# Altium PCB R3P902.PcbDoc
Units mil, origin at the board's own origin, x right, y up, seen from the top; angles counter-clockwise.
Board outline 3937.01 x 3937.01 mil, 2 copper layers (Top Layer, Bottom Layer); 36 components, 12 nets, 76 pads, 4 vias.
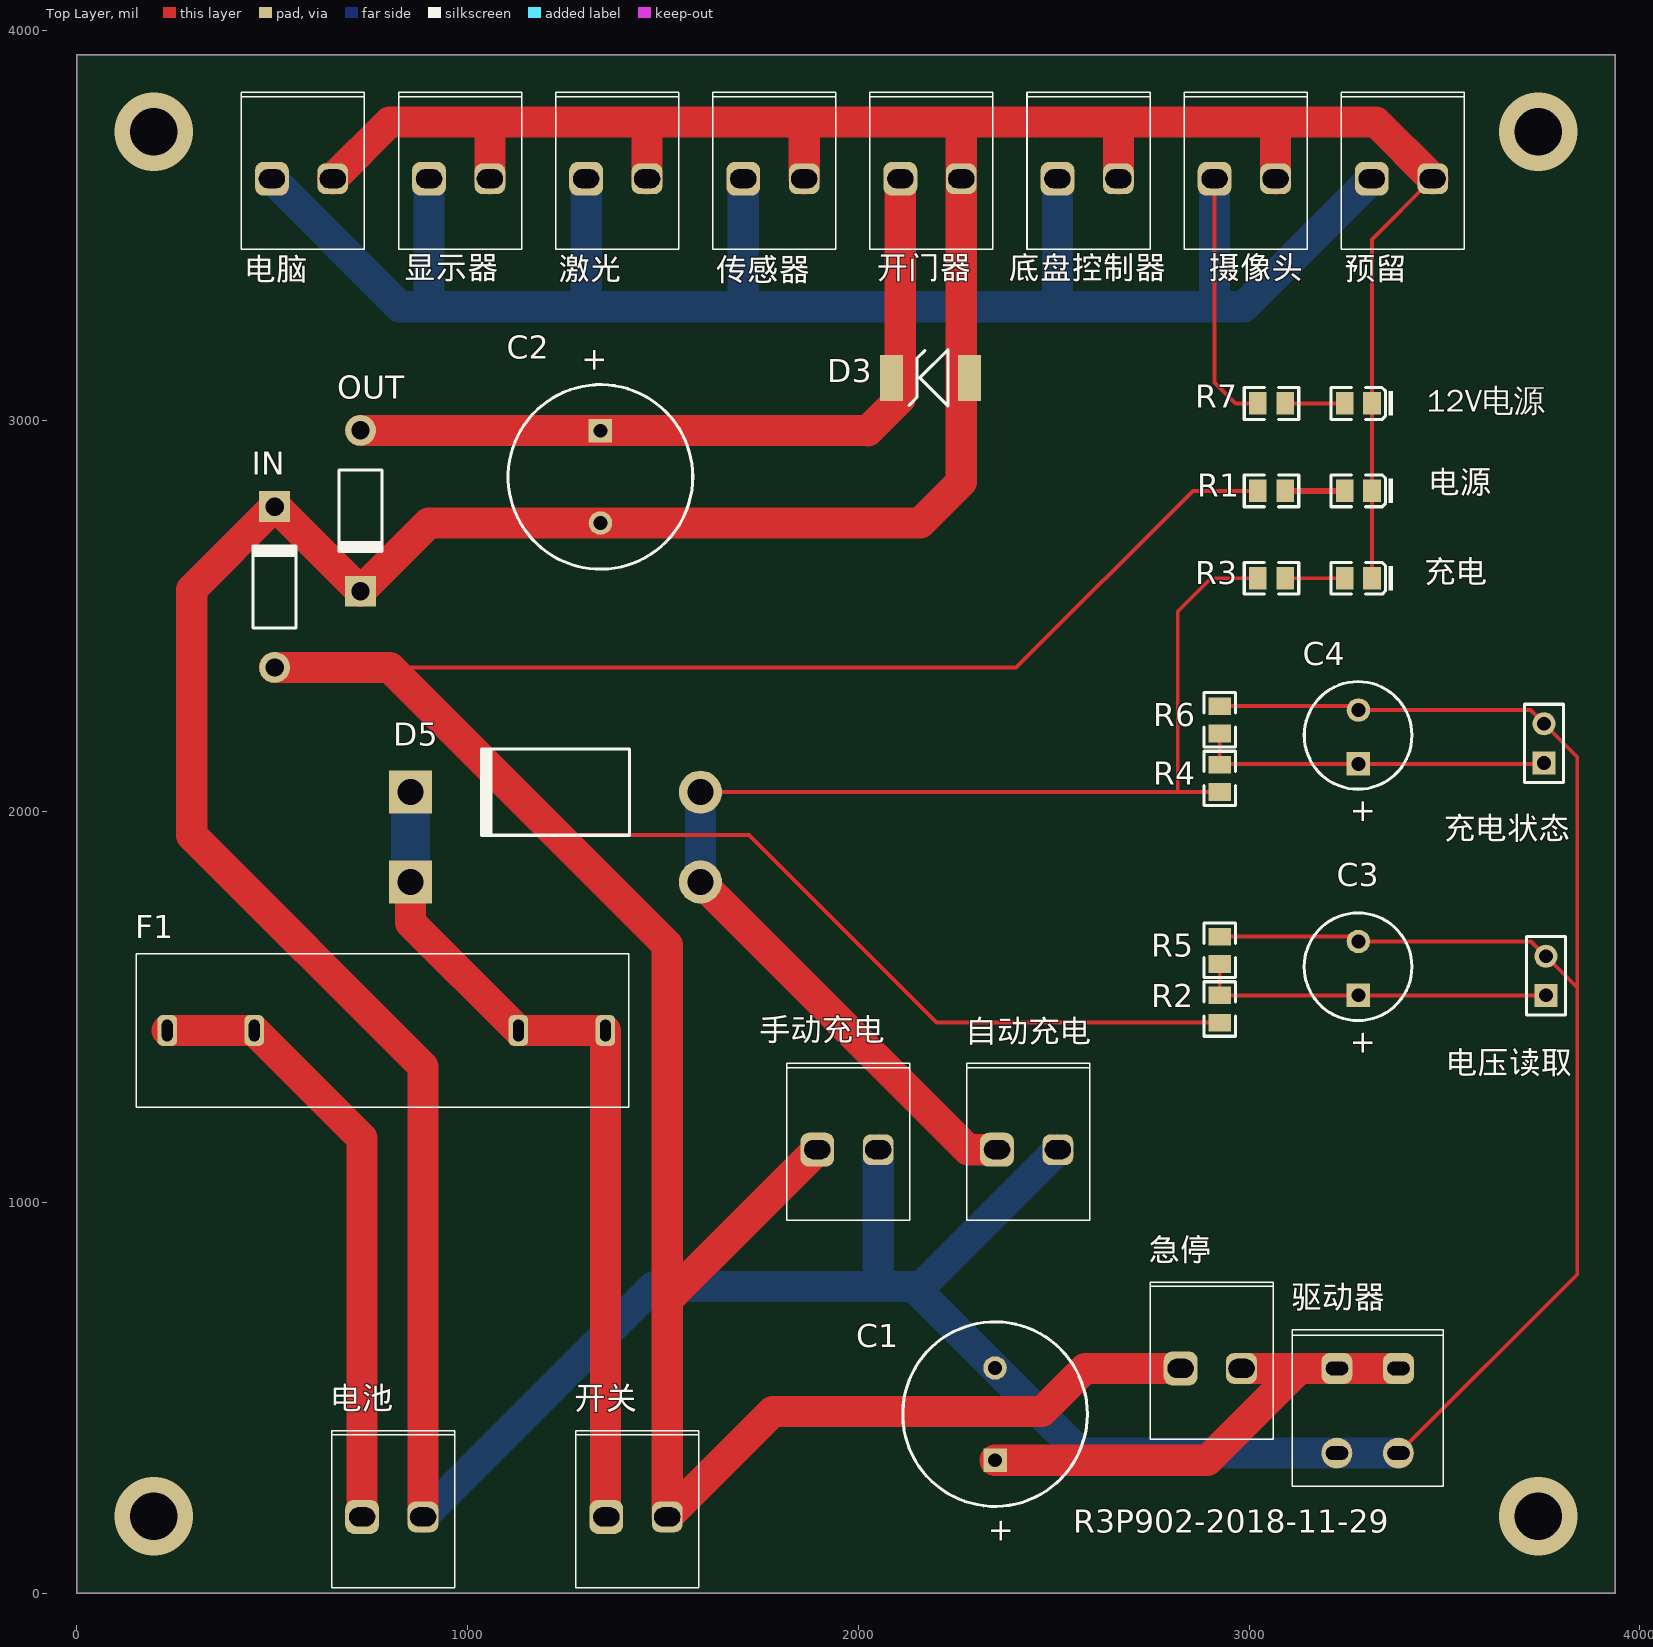
[diagram p0: Top Layer view]
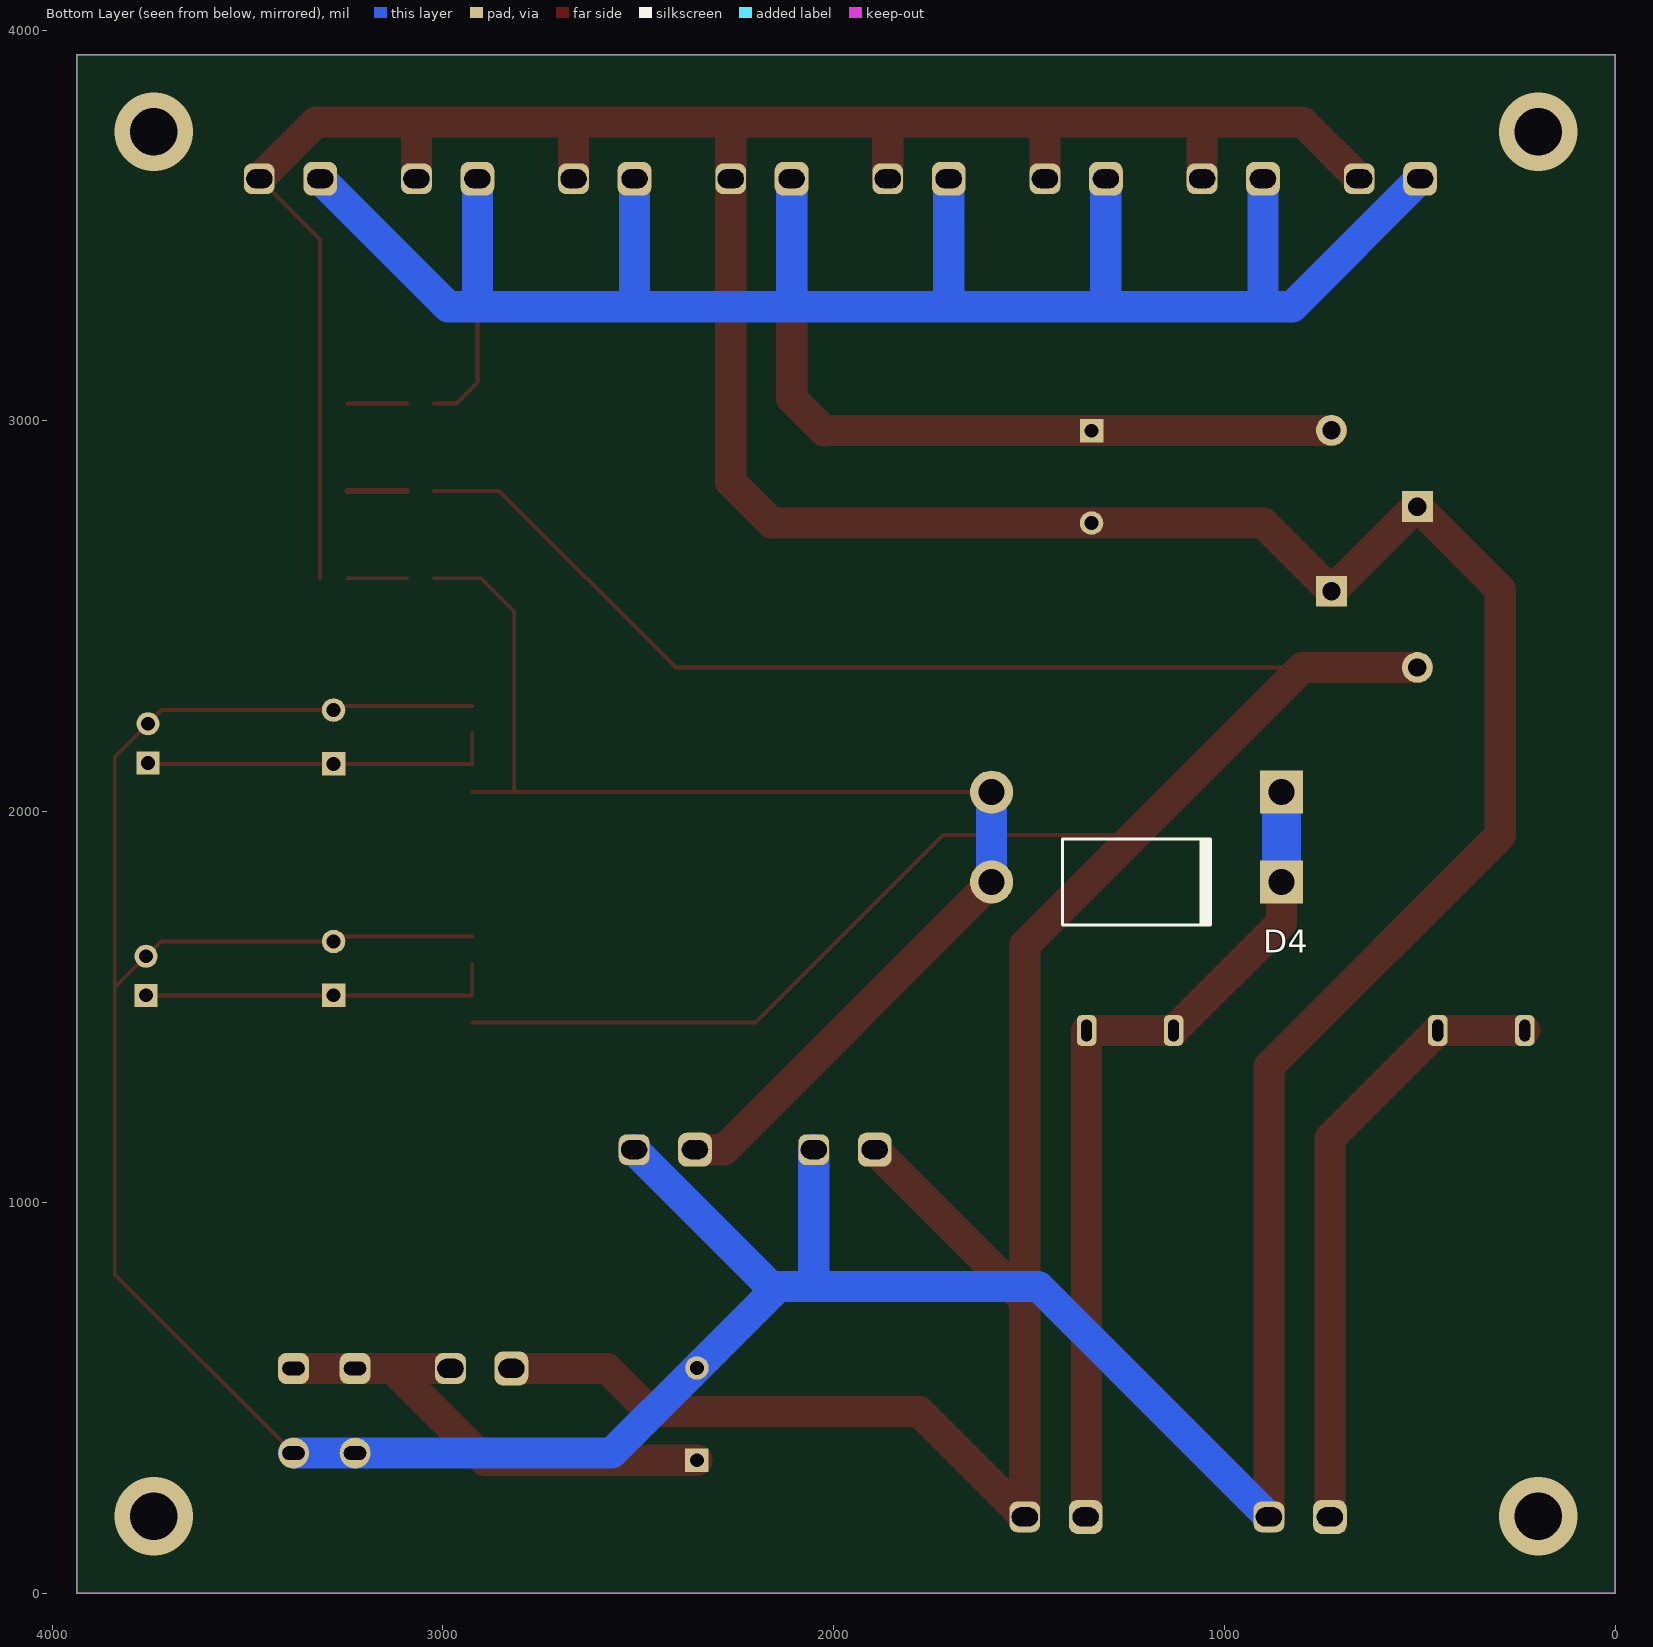
[diagram p1: Bottom Layer view, seen from below]

## Layer stack, top to bottom
Top Solder: solder mask 0.4, Solder Resist, Dk 3.5
Top Layer: signal copper 1.4
Dielectric 1: dielectric 12.6, FR-4, Dk 4.8
Bottom Layer: signal copper 1.4
Bottom Solder: solder mask 0.4, Solder Resist, Dk 3.5

## Board outline
0,0 0,3937.01 3937.01,3937.01 3937.01,0

## Design rules (kind name [scope] priority, off if disabled: settings)
Clearance [All] p1: gap=8 ignorepadtopadclearanceinfootprint=FALSE
PlaneClearance [All] p1: clearance=50
PolygonConnect [All] p1: connectstyle=Relief reliefconductorwidth=12 reliefentries=4 polygonreliefangle="90 Angle" airgapwidth=10
RoutingVias [All] p1: holewidth=28 width=50 viastyle="Through Hole" minholewidth=28 minwidth=50 maxholewidth=28 maxwidth=50
SolderMaskExpansion [All] p1: expansion=4
Width [All] p1: maxlimit=200 minlimit=10 preferedwidth=50
29 further rules are at their usual default settings.

## Components (designator, comment, footprint, x,y, rotation, side; value= is the part's Value field where it differs from the comment)
12V电源 "红灯 0805" LC-0805_LED_S1 3279.92,3045 r180 top
C1 "Cap" Cap-DIP-7.5 2350,340 r270 top
C2 "Cap" Cap-DIP-7.5 1340,2975 r90 top
C3 "Cap" CAP-DIP-3.5 3280,1530.04 r270 top
C4 "Cap" CAP-DIP-3.5 3280.08,2122.24 r270 top
D3 "SMBJ12A" SMBJ 2190,3110 r180 top
D4 "Diode 1N5408" DO-201AD 1225,1820 r180 bottom
D5 "Diode 1N5408" DO-201AD 1225,2050 r180 top
F1 "Fuse" Fuse 152.44,1243.15 r0 top
IN "Diode 11DQ03" DO-204AL 505.91,2575 r90 top
OUT "Diode 11DQ03" DO-204AL 725.91,2770 r270 top
R1 "20KΩ (2002) ±1%" LC-0805_R 3057.57,2821.25 r0 top
R2 "50KΩ (5002) ±1%" LC-0805_R 2925,1495 r270 top
R3 "20KΩ (2002) ±1%" LC-0805_R 3057.57,2597.5 r0 top
R4 "50KΩ (5002) ±1%" LC-0805_R 2925,2085.04 r270 top
R5 "10KΩ (1002) ±1%" LC-0805_R 2925,1645.04 r270 top
R6 "10KΩ (1002) ±1%" LC-0805_R 2925,2235 r270 top
R7 "10KΩ (1002) ±1%" LC-0805_R 3057.57,3045 r180 top
传感器 "Header 2" "VH-2A - Circle Hole" 1705.52,3620 r0 top
充电 "红灯 0805" LC-0805_LED_S1 3279.92,2597.5 r180 top
充电状态 "Header 2" HDR1X2 3755.08,2125.04 r90 top
底盘控制器 "Header 2" "VH-2A - Circle Hole" 2509.81,3620 r0 top
开关 "Header 2" "VH-2A - Circle Hole" 1355,195 r0 top
开门器 "Header 2" "VH-2A - Circle Hole" 2107.67,3620 r0 top
急停 "Header 2" "VH-2A - Circle Hole" 2825,575 r0 top
手动充电 "Header 2" "VH-2A - Circle Hole" 1895,1135 r0 top
摄像头 "Header 2" "VH-2A - Circle Hole" 2911.95,3620 r0 top
显示器 "Header 2" "VH-2A - Circle Hole" 901.24,3620 r0 top
激光 "Header 2" "VH-2A - Circle Hole" 1303.38,3620 r0 top
电压读取 "Header 2" HDR1X2 3760,1530.04 r90 top
电池 "Header 2" "VH-2A - Circle Hole" 730,195 r0 top
电源 "红灯 0805" LC-0805_LED_S1 3279.92,2821.25 r180 top
电脑 "Header 2" "VH-2A - Circle Hole" 499.09,3620 r0 top
自动充电 "Header 2" "VH-2A - Circle Hole" 2355,1135 r0 top
预留 "Header 2" "VH-2A - Circle Hole" 3314.09,3620 r0 top
驱动器 "插座" "HEADER 2X2" 3110.83,273.82 r0 top

## Footprints (in the part's own frame and the unit in brackets; to place one, negate y for a bottom-side part, rotate by r counter-clockwise, add the part's x,y. Pads: shape width x height; smd on the part's side, far side on the other; paste and mask are expansions set on the pad)
CAP-DIP-3.5 [mil]
  rect 60x60 hole 35.43: 1(0,0)
  round 60 hole 35.43: 2(-137.8,0)
  silkscreen extent -211,-139 65,137
Cap-DIP-7.5 [mil] "100mil_DIP"
  rect 60x60 hole 35.43: 1(0,0)
  round 60 hole 35.43: 2(-236.22,0)
  silkscreen extent -354,-236 118,236
DO-201AD [mm] "Diode, Axial; Body 9.5 x 5.6 mm (LxDia. max), Lead Dia. 1.32 mm (max)"
  round 2.8 hole 1.7: 1(-9.42,0)
  rect 2.8x2.8 hole 1.7: 2(9.42,0)
  silkscreen extent -4.8,-2.8 4.9,2.8
DO-204AL [mm] "Diode, Axial; Body 5.2 x 2.7 mm (LxDia. max), Lead Dia. 0.86 mm (max)"
  round 2 hole 1.2: 1(-5.23,0)
  rect 2x2 hole 1.2: 2(5.23,0)
  silkscreen extent -2.65,-1.4 2.75,1.4
Fuse [mm] "直插保险丝夹"
  rrect50% 1.27x2 hole 1.4 slot 0.7 at 0 deg: 1(2,5) 1(7.66,5) 2(24.83,5) 2(30.49,5)
  silkscreen extent 0,0 32,10
HDR1X2 [mm] "Connector; Header; 2 Position"
  rect 1.5x1.5 hole 0.9: 1(0,0)
  round 1.5 hole 0.9: 2(2.54,0)
  silkscreen extent -1.27,-1.27 3.81,1.27
"HEADER 2X2" [mm] "Header 2X2"
  rrect50% 2x2 hole 0.9 slot 1.45 at 0 deg: 1(2.9,7.65) 3(6.9,7.65)
  round 2 hole 0.9 slot 1.45 at 0 deg: 2(2.9,2.15) 4(6.9,2.15)
  silkscreen extent 0,0 9.8,10.16
LC-0805_LED_S1 [mm]
  rect 1.16x1.47 smd: A(0.89,0) K(-0.89,0)
  silkscreen extent -2.25,-1.04 1.77,1.03, body extent -1.01,-0.62 1.01,0.62, height 1.1
LC-0805_R [mm]
  rect 1.16x1.47 smd: 1(-0.89,0) 2(0.89,0)
  silkscreen extent -1.77,-1.04 1.77,1.03, body extent -1,-0.62 1,0.63, height 0.49
SMBJ [mm]
  rect 1.5x3 smd: 1(-2.413,0) 2(2.667,0)
  silkscreen extent -1.02,-1.85 1.52,1.83
"VH-2A - Circle Hole" [mm] "Header 2 use for Power"
  rrect50% 2.2x2.2 hole 1.24 slot 1.7 at 0 deg: 1(0,0)
  rrect50% 2x2 hole 1.24 slot 1.7 at 0 deg: 2(3.96,0)
  silkscreen extent -1.98,-4.6 6.02,5.61

## Part data
12V电源 充电 电源: library part "0805 红灯", "发光二极管", Package=0805, SuppliersPartNumber=C2295, ComponentLink1Description=供应商链接, ComponentLink1URL=http://www.szlcsc.com/product/details_2668.html, Supplier=LC
C1 C2 C3 C4: library part Cap_DIP, "Cap_DIP"
D3: library part SMBJ, "TVS"
D4 D5: "3 Amp Medium Power Silicon Rectifier Diode", ComponentLink1Description="Manufacturer Link", ComponentLink1URL=http://www.irf.com/, DatasheetVersion=Aug-1984, LatestRevisionDate=17-Jul-2002, LatestRevisionNote="Re-released for DXP Platform.", PackageDescription="Diode, Axial; Body 9.5 x 5.3 mm (LxDia. max), Lead Dia. 1.32 mm (max)", PackageReference=DO-201AD, Published=8-Jun-2000, Publisher="Altium Limited"
F1: library part FUSE, "Fuse-DIP"
IN OUT: "Schottky Rectifier", Code_JEDEC=DO-204-AL, ComponentLink1Description="Manufacturer Link", ComponentLink1URL=http://www.irf.com/, ComponentLink2Description=Datasheet, ComponentLink2URL=http://www.irf.com/product-info/datasheets/data/11dq03.pdf, DatasheetVersion=Dec-1997, LatestRevisionDate=17-Jul-2002, LatestRevisionNote="Re-released for DXP Platform.", PackageDescription="Diode, Axial; Body 5.2 x 2.7 mm (LxDia. max), Lead Dia. 0.86 mm (max)", PackageReference=DO-204AL, Published=8-Jun-2000, Publisher="Altium Limited"
R1 R3: library part "0805 20KΩ (2002) 1%", "贴片电阻", Package=0805, SuppliersPartNumber=C4328, ComponentLink1Description=供应商链接, ComponentLink1URL=http://www.szlcsc.com/product/details_4735.html, Supplier=LC
R2 R4 R5 R6 R7: library part "0805 10KΩ (1002) 1%", "贴片电阻", Package=0805, SuppliersPartNumber=C17414, ComponentLink1Description=供应商链接, ComponentLink1URL=http://www.szlcsc.com/product/details_18102.html, Supplier=LC
传感器 底盘控制器 开关 开门器 急停 手动充电 摄像头 显示器 激光 电池 电脑 自动充电 预留: "贴片2p座"
充电状态 电压读取: "Header, 2-Pin", LatestRevisionDate=17-Jul-2002, LatestRevisionNote="Re-released for DXP Platform.", Publisher="Altium Limited"
驱动器: library part HEADER_2X2

## Via types
v1: diameter 200.79, hole 122.05, Top Layer to Bottom Layer, 4 vias

## Nets (pads, with @x,y where several pads share a name; then routed paths per layer and width w, separated by ;. In a path a pad name is that pad's centre, name@x,y a point inside that pad or via, vN(x,y) a via of type N, cw(c..) or ccw(c..) an arc to the next point about the centre after c; other vN are vias at no path point)
+12: C2.1 D3.2 OUT.1 R7.2 传感器.1 底盘控制器.1 开门器.1 摄像头.1 显示器.1 激光.1 电脑.1 预留.1 | length 7691.5
  Top Layer w10: 摄像头.1 2911.95,3098.05 2965,3045 R7.2
  Top Layer w80: OUT.1 2024.09,2975.91 2025,2975 2107.67,3057.67 开门器.1
  Bottom Layer w80: 电脑.1 826.43,3292.67 900,3292.67 ; 显示器.1 901.24,3293.9 900,3292.67 ; 激光.1 1303.38,3299.29 1310,3292.67 ; 传感器.1 1705.52,3297.14 1710,3292.67 ; 开门器.1 2107.67,3292.67 ; 底盘控制器.1 2509.81,3297.86 2515,3292.67 ; 摄像头.1 2911.95,3294.62 2910,3292.67 ; 预留.1 2986.76,3292.67 2910,3292.67 ; 900,3292.67 1310,3292.67 ; 1310,3292.67 1710,3292.67 ; 1710,3292.67 2107.67,3292.67 ; 2107.67,3292.67 2515,3292.67 ; 2515,3292.67 2910,3292.67
+24_INCONTROL: D4.1 D5.1 R3.1 R4.2 自动充电.1 | length 3305.8
  Top Layer w10: D5.1 2815,2050 ; R4.2 2815,2050 ; R3.1 2902.5,2597.5 2817.5,2512.5 2817.5,2052.5 2815,2050
  Top Layer w80: D4.1 2280.87,1135 自动充电.1
  Bottom Layer w80: D4.1 D5.1
+Motor: C1.1 急停.2 驱动器.1 驱动器.3 | length 1277.7
  Top Layer w80: C1.1 2893.78,340 3128.78,575 ; 急停.2 3128.78,575 ; 驱动器.3 驱动器.1 3128.78,575
Battery: D4.2 D5.2 F1.2 开关.1 | length 2193
  Top Layer w80: D4.2 854.13,1715.87 1130,1440 1352.83,1440 1352.83,197.17 开关.1
  Bottom Layer w100: D4.2 D5.2
Battery_IN: IN.1 R1.1 R2.2 开关.2 急停.1 手动充电.1 | length 9070.6
  Top Layer w10: 800.91,2369.09 2404.09,2369.09 2856.25,2821.25 R1.1 ; 1240,1940 1720,1940 2200.04,1459.96 R2.2
  Top Layer w80: IN.1 800.91,2369.09 1510.91,1659.09 1510.91,750.91 ; 手动充电.1 1510.91,750.91 ; 急停.1 2580,575 2470,465 1780.91,465 开关.2 1510.91,750.91
Battery_V: C3.1 R2.1 R5.2 电压读取.1 | length 915
  Top Layer w10: R5.2 R2.1 C3.1 电压读取.1
GND: 12V电源.K C1.2 C2.2 C3.2 C4.2 D3.1 IN.2 OUT.2 R5.1 R6.1 传感器.2 充电.K 充电状态.2 底盘控制器.2 开门器.2 手动充电.2 摄像头.2 显示器.2 激光.2 电压读取.2 电池.2 电源.K 电脑.2 自动充电.2 预留.2 驱动器.2 驱动器.4 | length 18256.9
  Top Layer w10: R5.1 3267.76,1680.08 C3.2 3722.2,1667.83 电压读取.2 3840,1550.04 ; R6.1 3270.08,2270.04 C4.2 3720.08,2260.04 充电状态.2 3840,2140.12 3840,1550.04 ; 充电.K 电源.K 12V电源.K 3314.96,3464.96 预留.2 ; 驱动器.4 3840,815.98 3840,1550.04
  Top Layer w80: 电脑.2 800,3765 1050,3765 ; 电池.2 885.91,1347.87 293.78,1940 293.78,2568.78 IN.2 509.09,2780.91 OUT.2 900.59,2738.78 C2.2 2158.78,2738.78 2263.57,2843.57 开门器.2 2263.57,3765 ; 显示器.2 1057.14,3757.86 1050,3765 ; 激光.2 1459.29,3754.29 1470,3765 ; 传感器.2 1861.43,3758.57 1855,3765 ; 底盘控制器.2 2665.71,3755.71 2675,3765 ; 摄像头.2 3067.86,3762.86 3070,3765 ; 预留.2 3325,3765 3070,3765 ; 1050,3765 1470,3765 ; 1470,3765 1855,3765 ; 1855,3765 2263.57,3765 ; 2263.57,3765 2675,3765 ; 2675,3765 3070,3765
  Bottom Layer w80: 电池.2 1475.91,785 2050,785 ; 手动充电.2 2050.91,785.91 2050,785 ; 自动充电.2 2160.91,785 2141.22,785 ; 驱动器.4 驱动器.2 2567.76,358.46 C1.2 2141.22,785 ; 2050,785 2141.22,785
In_Charge: C4.1 R4.1 R6.2 充电状态.1 | length 912
  Top Layer w10: R6.2 R4.1 2927.17,2122.24 C4.1 3752.28,2122.24 充电状态.1
Net12V电源_A: 12V电源.A R7.1 | length 152.3
  Top Layer w10: R7.1 12V电源.A
NetF1_1: F1.1 电池.1 | length 1582.2
  Top Layer w80: F1.1@231.18,1440 454.02,1440 730,1164.02 电池.1
NetR1_2: R1.2 电源.A | length 152.3
  Top Layer w15: R1.2@3092.61,2821.25 电源.A
NetR3_2: R3.2 充电.A | length 152.3
  Top Layer w10: R3.2 充电.A
copper on no net:
  other v1: 196.85,196.85 3740.16,196.85 196.85,3740.16 3740.16,3740.16

## Keep-outs
Keep-Out Layer:
  the board outline again, w3.94

## Silkscreen, mask and mechanical layers (free items; w line width, h text height)
Top Overlay:
  text "R3P902-2018-11-29" at 2550,135 h100

## Dimensions
0,0 to 3937.01,0 on Top Overlay
0,3937.01 to 0,0 on Top Overlay

## Text inside footprints (layer, text, board x,y; h text height)
C1: Top Overlay "+" at 2321,193 h100 r270
C2: Top Overlay "+" at 1369,3122 h100 r90
C3: Top Overlay "+" at 3248,1442.04 h100 r270
C4: Top Overlay "+" at 3248.08,2034.24 h100 r270